# Altium PCB ALCT_MEZ_LX100.PcbDoc (part 1 of 10) (continued)
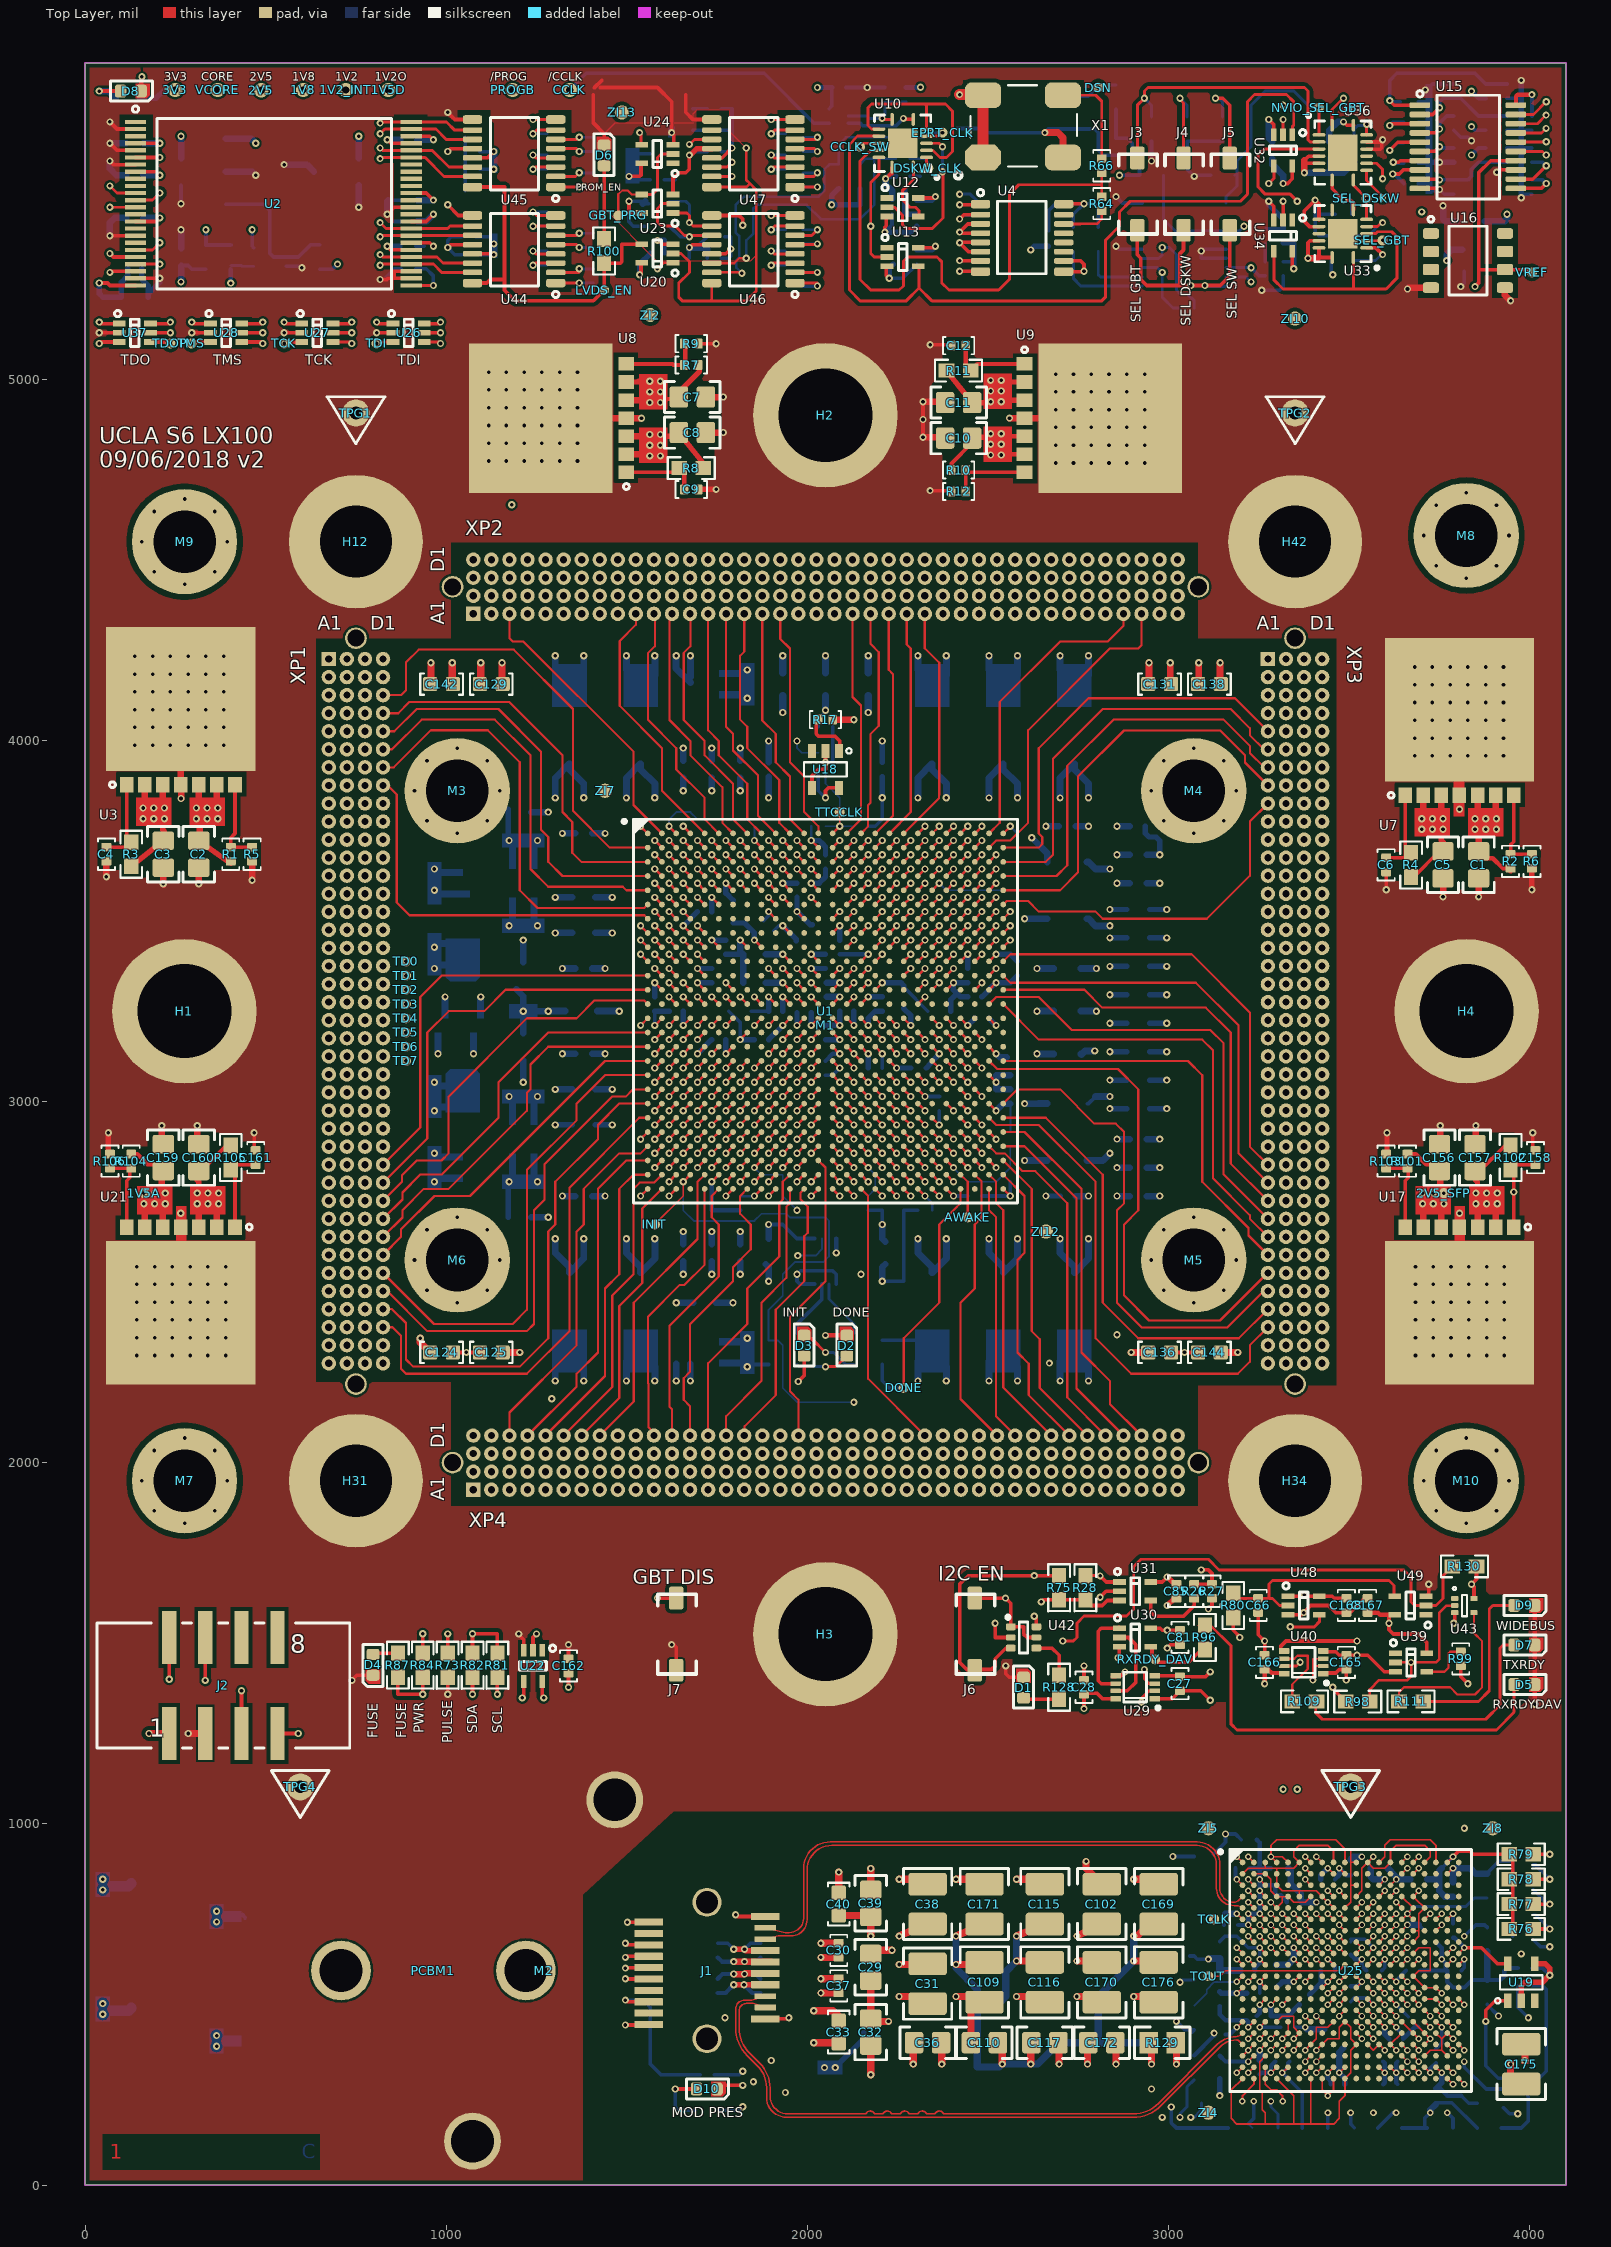
[diagram p0: Top Layer view]
## Components (designator, comment, footprint, x,y, rotation, side; value= is the part's Value field where it differs from the comment) (continued)
C121 "4.7uF" MC_S6/SM/C_0603_IPC 1203.54,3801.18 r180 bottom locked
C122 "4.7uF" MC_S6/SM/C_0603_IPC 1380.71,3033.46 r180 bottom locked
C123 "4.7uF" MC_S6/SM/C_0603_IPC 1085.43,3210.63 r90 bottom locked
C124 "4.7uF" MC_S6/SM/C_0603_IPC 987.01,2305.12 r0 top locked
C125 "4.7uF" MC_S6/SM/C_0603_IPC 1124.8,2305.12 r180 top locked
C126 "4.7uF" MC_S6/SM/C_0603_IPC 1380.71,3466.54 r180 bottom locked
C127 "4.7uF" MC_S6/SM/C_0603_IPC 1712.6,2441.14 r180 bottom locked
C128 "4.7uF" MC_S6/SM/C_0603_IPC 2916.14,3216.54 r0 bottom locked
C129 "4.7uF" MC_S6/SM/C_0603_IPC 1124.8,4155.51 r0 top locked
C130 "4.7uF" MC_S6/SM/C_0603_IPC 2050,4155.51 r270 bottom locked
C131 "4.7uF" MC_S6/SM/C_0603_IPC 2975.2,4155.51 r0 top locked
C132 "4.7uF" MC_S6/SM/C_0603_IPC 2916.14,3137.8 r0 bottom locked
C133 "0.47uF" MC_S6/SM/C_0402_IPC 3220.47,956.1 r180 bottom locked
C134 "4.7uF" MC_S6/SM/C_0603_IPC 2916.14,3374.02 r0 bottom locked
C135 "4.7uF" MC_S6/SM/C_0603_IPC 2916.14,3452.76 r0 bottom locked
C136 "4.7uF" MC_S6/SM/C_0603_IPC 2975.2,2305.12 r0 top locked
C137 "4.7uF" MC_S6/SM/C_0603_IPC 2916.14,3295.28 r0 bottom locked
C138 "4.7uF" MC_S6/SM/C_0603_IPC 3112.99,4155.51 r180 top locked
C139 "4.7uF" MC_S6/SM/C_0603_IPC 1203.54,2679.13 r180 bottom locked
C140 "4.7uF" MC_S6/SM/C_0603_IPC 2168.11,4155.51 r270 bottom locked
C141 "4.7uF" MC_S6/SM/C_0603_IPC 2916.14,3531.5 r0 bottom locked
C142 "4.7uF" MC_S6/SM/C_0603_IPC 987.01,4155.51 r180 top locked
C143 "4.7uF" MC_S6/SM/C_0603_IPC 1931.89,4155.51 r270 bottom locked
C144 "4.7uF" MC_S6/SM/C_0603_IPC 3112.99,2305.12 r180 top locked
C145 "0.47uF" MC_S6/SM/C_0402_IPC 3141.73,515.16 r90 bottom locked
C146 "0.47uF" MC_S6/SM/C_0402_IPC 3376.12,513.33 r45 bottom locked
C147 "0.1uF" MC_S6/SM/C_0402_IPC 3251.97,326.18 r270 bottom locked
C148 "0.1uF" MC_S6/SM/C_0402_IPC 3204.72,877.36 r180 bottom locked
C149 "0.1uF" MC_S6/SM/C_0402_IPC 3157.48,436.42 r270 bottom locked
C150 "0.1uF" MC_S6/SM/C_0402_IPC 3220.47,593.9 r180 bottom locked
C151 "0.01uF" MC_S6/SM/C_0402_IPC 3236.22,530.91 r180 bottom locked
C152 "0.01uF" MC_S6/SM/C_0402_IPC 3141.73,650.59 r270 bottom locked
C153 "0.01uF" MC_S6/SM/C_0402_IPC 3330.71,436.42 r0 bottom locked
C154 "0.01uF" MC_S6/SM/C_0402_IPC 3314.96,830.12 r0 bottom locked
C155 "0.01uF" MC_S6/SM/C_0402_IPC 3346.46,782.87 r0 bottom locked
C156 "10uF" MC_S6/SM/C_0805_IPC 3750,2844.69 r90 top locked
C157 "10uF" MC_S6/SM/C_0805_IPC 3848.43,2844.69 r90 top locked
C158 "0.01uF" MC_S6/SM/C_0402_IPC 4015.75,2844.69 r90 top locked
C159 "10uF" MC_S6/SM/C_0805_IPC 216.54,2844.69 r90 top locked
C160 "10uF" MC_S6/SM/C_0805_IPC 314.96,2844.69 r90 top locked
C161 "0.01uF" MC_S6/SM/C_0402_IPC 472.44,2844.69 r90 top locked
C162 "0.1uF" MC_S6/SM/C_0402_IPC 1338.58,1437.2 r90 top locked
C163 "0.47uF" MC_S6/SM/C_0402_IPC 3671.26,5541.54 r0 bottom locked
C164 "0.47uF" MC_S6/SM/C_0402_IPC 3789.37,5531.69 r270 bottom locked
C165 "0.1uF" MC_S6/SM/C_0402_IPC 3492.13,1447.05 r90 top locked
C166 "0.1uF" MC_S6/SM/C_0402_IPC 3265.75,1447.05 r90 top locked
C167 "0.1uF" MC_S6/SM/C_0402_IPC 3551.18,1604.53 r90 top locked
C168 "0.1uF" MC_S6/SM/C_0402_IPC 3492.13,1604.53 r270 top locked
C169 "100uF" MC_S6/SM/C_1210_IPC 2972.44,777.76 r90 top locked
C170 "100uF" MC_S6/SM/C_1210_IPC 2814.96,561.22 r90 top locked
C171 "100uF" MC_S6/SM/C_1210_IPC 2490.16,777.76 r90 top locked
C172 "10uF" MC_S6/SM/C_0805_IPC 2814.96,393.9 r180 top locked
C175 "100uF" MC_S6/SM/C_1210_IPC 3976.38,334.84 r90 top locked
C176 "100uF" MC_S6/SM/C_1210_IPC 2972.44,561.22 r270 top locked
C201 "0.47UF" MC_S6/SM/C_0402_IPC 1735.04,3919.29 r270 bottom locked
C202 "0.47UF" MC_S6/SM/C_0402_IPC 2581.5,3368.11 r90 bottom locked
C203 "0.47UF" MC_S6/SM/C_0402_IPC 2483.07,3230.32 r0 bottom locked
C204 "0.47uF" MC_S6/SM/C_0402_IPC 2561.81,3013.78 r90 bottom locked
C205 "0.47uF" MC_S6/SM/C_0402_IPC 2916.14,3604.33 r0 bottom locked
C211 "0.47UF" MC_S6/SM/C_0402_IPC 1892.52,3919.29 r90 bottom locked
C212 "0.47UF" MC_S6/SM/C_0402_IPC 2719.29,3761.81 r0 bottom locked
C213 "0.47UF" MC_S6/SM/C_0402_IPC 2050,3663.39 r90 bottom locked
C214 "0.47uF" MC_S6/SM/C_0402_IPC 2305.91,3092.52 r0 bottom locked
C215 "0.47uF" MC_S6/SM/C_0402_IPC 1656.3,3919.29 r90 bottom locked
C221 "0.47UF" MC_S6/SM/C_0402_IPC 1380.71,2738.19 r180 bottom locked
C222 "0.47UF" MC_S6/SM/C_0402_IPC 1813.78,2580.71 r270 bottom locked
C223 "0.47UF" MC_S6/SM/C_0402_IPC 1774.41,3427.17 r270 bottom locked
C224 "0.47uF" MC_S6/SM/C_0402_IPC 2916.14,2738.19 r0 bottom locked
C225 "0.47uF" MC_S6/SM/C_0402_IPC 1380.71,3368.11 r180 bottom locked
C231 "0.47UF" MC_S6/SM/C_0402_IPC 2561.81,3102.36 r270 bottom locked
C232 "0.47UF" MC_S6/SM/C_0402_IPC 2089.37,3427.17 r270 bottom locked
C233 "0.47UF" MC_S6/SM/C_0402_IPC 2916.14,2895.67 r0 bottom locked
C234 "0.47uF" MC_S6/SM/C_0402_IPC 1636.61,3250 r180 bottom locked
C235 "0.47uF" MC_S6/SM/C_0402_IPC 1380.71,3131.89 r180 bottom locked
C241 "0.47UF" MC_S6/SM/C_0402_IPC 1754.72,3171.26 r180 bottom locked
C242 "0.47UF" MC_S6/SM/C_0402_IPC 2443.7,3348.43 r270 bottom locked
C243 "0.47uF" MC_S6/SM/C_0402_IPC 1577.56,3269.69 r270 bottom locked
C244 "0.47uF" MC_S6/SM/C_0402_IPC 2916.14,2816.93 r0 bottom locked
C245 "0.47uF" MC_S6/SM/C_0402_IPC 1380.71,3742.13 r180 bottom locked
C251 "0.47UF" MC_S6/SM/C_0402_IPC 2719.29,2738.19 r0 bottom locked
C252 "0.47UF" MC_S6/SM/C_0402_IPC 2463.39,3289.37 r180 bottom locked
C253 "0.47uF" MC_S6/SM/C_0402_IPC 1892.52,3486.22 r315 bottom locked
C254 "0.47uF" MC_S6/SM/C_0402_IPC 2916.14,3761.81 r0 bottom locked
C255 "0.47uF" MC_S6/SM/C_0402_IPC 2916.14,3683.07 r0 bottom locked
C261 "0.47uF" MC_S6/SM/C_0402_IPC 2050,3387.8 r270 bottom locked
C262 "0.47uF" MC_S6/SM/C_0402_IPC 1735.04,3348.43 r270 bottom locked
C263 "0.47UF" MC_S6/SM/C_0402_IPC 1715.35,3525.59 r180 bottom locked
C264 "0.47UF" MC_S6/SM/C_0402_IPC 1912.2,3250 r0 bottom locked
C265 "0.47uF" MC_S6/SM/C_0402_IPC 2364.96,2994.09 r90 bottom locked
C266 "0.47uF" MC_S6/SM/C_0402_IPC 1971.26,3584.65 r90 bottom locked
C267 "0.47uF" MC_S6/SM/C_0402_IPC 2050,3092.52 r90 bottom locked
C271 "0.47UF" MC_S6/SM/C_0402_IPC 2050,3309.06 r90 bottom locked
C272 "0.47UF" MC_S6/SM/C_0402_IPC 1990.95,3250 r180 bottom locked
C273 "0.47UF" MC_S6/SM/C_0402_IPC 2050,3190.95 r90 bottom locked
C274 "0.47UF" MC_S6/SM/C_0402_IPC 2109.06,3250 r180 bottom locked
C275 "0.47uF" MC_S6/SM/C_0402_IPC 1872.83,3171.26 r180 bottom locked
C276 "0.47uF" MC_S6/SM/C_0402_IPC 2207.48,3269.69 r270 bottom locked
C277 "0.47uF" MC_S6/SM/C_0402_IPC 2187.8,3092.52 r180 bottom locked
C301 "4.7UF" MC_S6/SM/C_0603_IPC 2207.48,3919.29 r90 bottom locked
C302 "4.7uF" MC_S6/SM/C_0603_IPC 2207.48,2580.71 r270 bottom locked
C311 "4.7UF" MC_S6/SM/C_0603_IPC 1892.52,2580.71 r270 bottom locked
C312 "10uF" MC_S6/SM/C_0805_IPC 1213.39,3348.43 r270 bottom locked
C313 "10uF" MC_S6/SM/C_0805_IPC 1213.39,3151.57 r90 bottom locked
C321 "4.7UF" MC_S6/SM/C_0603_IPC 2916.14,3059.06 r0 bottom locked
C322 "10uF" MC_S6/SM/C_0805_IPC 2719.29,3250 r0 bottom locked
C331 "4.7UF" MC_S6/SM/C_0603_IPC 1380.71,3564.96 r180 bottom locked
C332 "10uF" MC_S6/SM/C_0805_IPC 1380.71,3250 r180 bottom locked
C341 "4.7UF" MC_S6/SM/C_0603_IPC 1380.71,2935.04 r180 bottom locked
C342 "10uF" MC_S6/SM/C_0805_IPC 2719.29,3131.89 r0 bottom locked
C351 "4.7UF" MC_S6/SM/C_0603_IPC 2916.14,2980.32 r0 bottom locked
C361 "4.7UF" MC_S6/SM/C_0603_IPC 1794.09,3525.59 r90 bottom locked
C362 "4.7UF" MC_S6/SM/C_0603_IPC 2266.54,3289.37 r270 bottom locked
C363 "4.7UF" MC_S6/SM/C_0603_IPC 1813.78,3250 r180 bottom locked
C364 "4.7UF" MC_S6/SM/C_0603_IPC 2364.96,3250 r0 bottom locked
C365 "10uF" MC_S6/SM/C_0805_IPC 1995.95,3471.54 r225 bottom locked
C371 "4.7UF" MC_S6/SM/C_0603_IPC 1853.15,3407.48 r180 bottom locked
C372 "4.7UF" MC_S6/SM/C_0603_IPC 1853.15,3328.74 r180 bottom locked
C375 "10uF" MC_S6/SM/C_0805_IPC 2719.29,3368.11 r0 bottom locked
C401 "100UF" MC_S6/SM/C_1210_IPC 2719.29,3505.91 r0 bottom locked
C411 "100UF" MC_S6/SM/C_1210_IPC 1715.35,4155.51 r0 bottom locked
C421 "100UF" MC_S6/SM/C_1210_IPC 2719.29,2994.09 r0 bottom locked
C431 "100UF" MC_S6/SM/C_1210_IPC 1715.35,2305.12 r180 bottom locked
C441 "100UF" MC_S6/SM/C_1210_IPC 1213.39,2895.67 r270 bottom locked
C451 "100UF" MC_S6/SM/C_1210_IPC 2719.29,2836.61 r0 bottom locked
C461 "100UF" MC_S6/SM/C_1210_IPC 1213.39,3604.33 r90 bottom locked
C471 "100UF" MC_S6/SM/C_1210_IPC 2719.29,3663.39 r0 bottom locked
CCLK "Test Point Via" MC_S6/TH/TPVIA 1341.73,5800.39 r0 top locked
CCLK_SW "Test Point Via" MC_S6/TH/TPVIA 2145.67,5643.11 r90 top locked
CMPCSB "Test Point Via" MC_S6/TH/TPVIA 2404.33,2856.3 r270 bottom locked
CT1 "220uF" MC_S6/SM/CT_2917_D 2738.98,2423.23 r90 bottom locked
CT2 "220uF" MC_S6/SM/CT_2917_D 1341.34,4037.4 r270 bottom locked
CT3 "220uF" MC_S6/SM/CT_2917_D 1046.06,2915.35 r270 bottom locked
CT4 "220uF" MC_S6/SM/CT_2917_D 2542.13,2423.23 r90 bottom locked
CT5 "220uF" MC_S6/SM/CT_2917_D 1046.06,3505.91 r90 bottom locked
CT6 "220uF" MC_S6/SM/CT_2917_D 2345.28,2423.23 r90 bottom locked
CT7 "220uF" MC_S6/SM/CT_2917_D 1341.34,2423.23 r90 bottom locked
CT8 "220uF" MC_S6/SM/CT_2917_D 2738.98,4037.4 r270 bottom locked
CT9 "220uF" MC_S6/SM/CT_2917_D 2542.13,4037.4 r270 bottom locked
CT10 "220uF" MC_S6/SM/CT_2917_D 1538.19,4037.4 r270 bottom locked
CT11 "220uF" MC_S6/SM/CT_2917_D 1538.19,2423.23 r90 bottom locked
CT12 "220uF" MC_S6/SM/CT_2917_D 2345.28,4037.4 r270 bottom locked
D1 "LTST-C193KRKT-5A" MC_S6/SM/LED_0603 2598.43,1378.15 r270 top locked
D2 "LTST-C193TBKT-5A" MC_S6/SM/LED_0603 2109.06,2324.8 r270 top locked
D3 "LTST-C193KRKT-5A" MC_S6/SM/LED_0603 1990.95,2324.8 r270 top locked
D4 "LTST-C193KRKT-5A" MC_S6/SM/LED_0603 797.25,1439.17 r90 top locked
D5 "LTST-C193KGKT-5A" MC_S6/SM/LED_0603 3986.22,1385.55 r180 top locked
D6 "LTST-C193KGKT-5A" MC_S6/SM/LED_0603 1437.01,5620.28 r270 top locked
D7 "LTST-C193KGKT-5A" MC_S6/SM/LED_0603 3986.22,1495.04 r180 top locked
D8 "LTST-C193KRKT-5A" MC_S6/SM/LED_0603 127.95,5797.44 r180 top locked
D9 "LTST-C193KGKT-5A" MC_S6/SM/LED_0603 3986.22,1604.53 r180 top locked
D10 "LTST-C193KGKT-5A" MC_S6/SM/LED_0603 1722.44,265.94 r180 top locked
DONE "Test Point Via" MC_S6/TH/TPVIA 2266.54,2206.69 r0 top locked
DSKW_CLK "Test Point Via" MC_S6/TH/TPVIA 2334.65,5584.06 r90 top locked
DSN "Test Point Via" MC_S6/TH/TPVIA 2805.12,5807.28 r0 top locked
EPRT_CLK "Test Point Via" MC_S6/TH/TPVIA 2374.02,5682.48 r90 top locked
GBT_PRG "Test Point Via" MC_S6/TH/TPVIA 1476.38,5452.95 r90 top locked
H1 "MEZSCREW" MC_S6/TH/SCREW_BASE 275,3250 r0 top locked
H2 "MEZSCREW" MC_S6/TH/SCREW_BASE 2050,4900 r0 top locked
H3 "MEZSCREW" MC_S6/TH/SCREW_BASE 2050,1525 r0 top locked
H4 "MEZSCREW" MC_S6/TH/SCREW_BASE 3825,3250 r0 top locked
H12 "MezScrewHS" MC_S6/TH/SCREW_PLATE 750,4550 r0 top locked
H31 "MezScrewHS" MC_S6/TH/SCREW_PLATE 750,1950 r0 top locked
H34 "MezScrewHS" MC_S6/TH/SCREW_PLATE 3350,1950 r0 top locked
H42 "MezScrewHS" MC_S6/TH/SCREW_PLATE 3350,4550 r0 top locked
INIT "Test Point Via" MC_S6/TH/TPVIA 1577.56,2659.45 r0 top locked
J1 "VTRX" MC_S6/SM/TE-1888247-1 1722.05,593.9 r0 top locked
J2 "CON8 SMD" MC_S6/SM/WURTH_61200820621 383.07,1383.07 r0 top locked
J3 "CHS-01TA" CHS-01TA 2913.39,5512.01 r270 top locked
J4 "CHS-01TA" CHS-01TA 3041.34,5512.01 r270 top locked
J5 "CHS-01TA" CHS-01TA 3169.29,5512.01 r270 top locked
J6 "CHS-01TA" CHS-01TA 2463.39,1525 r270 top locked
J7 "CHS-01TA" CHS-01TA 1636.61,1525 r270 top locked
L1 "538 nH" AIAC-4125C-R538J 285.43,443.11 r180 bottom locked
L2 "538 nH" AIAC-4125C-R538J 285.43,787.6 r180 bottom locked
L4 "538 nH" AIAC-4125C-R538J 2312.99,374.21 r180 bottom locked
LVDS_EN "Test Point Via" MC_S6/TH/TPVIA 1437.01,5246.26 r90 top locked
M1 "HS2069DB" HS2069DB 2050,3210.63 r180 top locked
M2 "CS86717095B1" CS86717095B1 1269.69,593.9 r90 top locked
M3 "Wurth 9774030360R" WURTH/9774020360R 1030.32,3860.24 r0 top locked
M4 "Wurth 9774030360R" WURTH/9774020360R 3069.69,3860.24 r0 top locked
M5 "Wurth 9774030360R" WURTH/9774020360R 3069.69,2561.02 r0 top locked
M6 "Wurth 9774030360R" WURTH/9774020360R 1030.32,2561.02 r0 top locked
M7 "Wurth 9774030360R" WURTH/9774020360R 275.53,1950 r0 top locked
M8 "Wurth 9774030360R" WURTH/9774020360R 3824.35,4566.93 r0 top locked
M9 "Wurth 9774030360R" WURTH/9774020360R 275.53,4550 r0 top locked
M10 "Wurth 9774030360R" WURTH/9774020360R 3824.35,1950 r0 top locked
NVIO_SEL_GBT "Test Point Via" MC_S6/TH/TPVIA 3416.34,5751.38 r90 top locked
PCBM1 "VTRX-V2.1 (MM)" "PCBM_CERN_VTRX V2.1 (MM)" 1722.05,593.9 r0 top locked
PROGB "Test Point Via" MC_S6/TH/TPVIA 1184.25,5800.39 r0 top locked
R1 "1.2k" MC_S6/SM/R_0402_IPC 403.54,3684.45 r90 top locked
R2 "2.0k" MC_S6/SM/R_0402_IPC 3946.85,3664.76 r90 top locked
R3 "4.7k" MC_S6/SM/R_0603_IPC 127.95,3684.45 r90 top locked
R4 "4.7k" MC_S6/SM/R_0603_IPC 3671.26,3654.92 r90 top locked
R5 "300R" MC_S6/SM/R_0402_IPC 462.6,3684.45 r270 top locked
R6 "1.0k" MC_S6/SM/R_0402_IPC 4005.91,3664.76 r270 top locked
R7 "5.1k" MC_S6/SM/R_0402_IPC 1678.35,5038.98 r180 top locked
R8 "4.7k" MC_S6/SM/R_0603_IPC 1678.35,4753.54 r180 top locked
R9 "1.96k" MC_S6/SM/R_0402_IPC 1678.35,5098.03 r0 top locked
R10 "1.8k" MC_S6/SM/R_0402_IPC 2418.5,4748.03 r0 top locked
R11 "4.7k" MC_S6/SM/R_0603_IPC 2418.5,5023.62 r0 top locked
R12 "1.3k" MC_S6/SM/R_0402_IPC 2418.5,4688.98 r180 top locked
R13 "5.1K" MC_S6/SM/R_0402_IPC 3877.95,5797.44 r90 bottom locked
R14 "5.1k" MC_S6/SM/R_0402_IPC 3877.95,5708.86 r90 bottom locked
R15 "5.1K" MC_S6/SM/R_0402_IPC 3937.01,5797.44 r270 bottom locked
R16 "5.1k" MC_S6/SM/R_0402_IPC 3937.01,5708.86 r270 bottom locked
R17 "768R" MC_S6/SM/R_0402_IPC 2050,4057.09 r0 top locked
R18 "768R" MC_S6/SM/R_0402_IPC 3986.22,551.38 r180 bottom locked
R19 "5.1K" MC_S6/SM/R_0402_IPC 3838.58,5357.68 r0 bottom locked
R20 "4.7k" MC_S6/SM/R_0603_IPC 3336.61,157.68 r180 bottom locked
R21 "4.7k" MC_S6/SM/R_0603_IPC 3750,157.68 r180 bottom locked
R22 "4.7k" MC_S6/SM/R_0603_IPC 3090.55,915.55 r0 bottom locked
R23 "4.7k" MC_S6/SM/R_0603_IPC 3474.41,157.68 r0 bottom locked
R24 "330R" MC_S6/SM/R_0603_IPC 1722.44,206.89 r0 bottom locked
R25 "1.0k" MC_S6/SM/R_0402_IPC 1722.44,305.32 r0 bottom locked
R26 "1.6k" MC_S6/SM/R_0402_IPC 3070.87,1643.9 r90 top locked
R27 "1.96k" MC_S6/SM/R_0402_IPC 3120.08,1643.9 r270 top locked
R28 "4.7k" MC_S6/SM/R_0603_IPC 2769.69,1653.74 r270 top locked
R29 "4.7k" MC_S6/SM/R_0603_IPC 649.61,5337.99 r90 bottom locked
R30 "999G" MC_S6/SM/R_0603_IPC 403.54,5337.99 r90 bottom locked
R31 "4.7K" MC_S6/SM/R_0603_IPC 334.65,5337.99 r90 bottom locked
R32 "330R" MC_S6/SM/R_0603_IPC 2207.48,2305.12 r270 bottom locked
R33 "4.7K" MC_S6/SM/R_0603_IPC 1892.52,2305.12 r90 bottom locked
R34 "110R" MC_S6/SM/R_0402_IPC 2561.81,2895.67 r270 bottom locked
R35 "510R" MC_S6/SM/R_0603_IPC 1971.26,2305.12 r270 bottom locked
R36 "0.0R" MC_S6/SM/R_0402_IPC 2463.39,2738.19 r0 bottom locked
R37 "0.0R" MC_S6/SM/R_0402_IPC 2168.11,2718.5 r270 bottom locked
R38 "0.0R" MC_S6/SM/R_0402_IPC 2325.59,2698.82 r180 bottom locked
R39 "0.0R" MC_S6/SM/R_0402_IPC 1813.78,2718.5 r270 bottom locked
R40 "10M" MC_S6/SM/R_0402_IPC 1754.72,3781.5 r0 bottom locked
R41 "510R" MC_S6/SM/R_0603_IPC 2128.74,2305.12 r270 bottom locked
R42 "75R" MC_S6/SM/R_0402_IPC 2581.5,3702.76 r90 bottom locked
R43 "999G" MC_S6/SM/R_0402_IPC 895.67,5305.32 r180 bottom locked
R44 "4.7k" MC_S6/SM/R_0603_IPC 3149.61,5564.37 r0 bottom locked
R45 "4.7k" MC_S6/SM/R_0603_IPC 2952.76,5564.37 r0 bottom locked
R46 "4.7k" MC_S6/SM/R_0603_IPC 2736.22,5387.2 r270 bottom locked
R47 "4.7k" MC_S6/SM/R_0603_IPC 2805.12,5387.2 r270 bottom locked
R48 "4.7k" MC_S6/SM/R_0603_IPC 2952.76,5692.32 r90 bottom locked
R49 "4.7k" MC_S6/SM/R_0603_IPC 3051.18,5692.32 r90 bottom locked
R50 "4.7k" MC_S6/SM/R_0603_IPC 3149.61,5692.32 r90 bottom locked
R51 "75R" MC_S6/SM/R_0402_IPC 3267.72,5393.9 r90 bottom locked
R52 "4.7k" MC_S6/SM/R_0603_IPC 3881.89,828.15 r270 bottom locked
R53 "4.7k" MC_S6/SM/R_0603_IPC 3612.21,157.68 r180 bottom locked
R54 "4.7k" MC_S6/SM/R_0603_IPC 2145.67,5561.22 r90 bottom locked
R55 "4.7k" MC_S6/SM/R_0603_IPC 2086.61,5561.22 r90 bottom locked
R56 "4.7k" MC_S6/SM/R_0603_IPC 1584.65,5492.32 r0 bottom locked
R57 "4.7k" MC_S6/SM/R_0603_IPC 1584.65,5423.43 r0 bottom locked
R58 "4.7k" MC_S6/SM/R_0603_IPC 3513.78,5633.27 r90 bottom locked
R59 "4.7k" MC_S6/SM/R_0603_IPC 3484.25,5397.05 r0 bottom locked
R60 "4.7k" MC_S6/SM/R_0603_IPC 3484.25,5328.15 r0 bottom locked
R61 "4.7k" MC_S6/SM/R_0603_IPC 3976.38,679.33 r0 bottom locked
R62 "28R" MC_S6/SM/R_0402_IPC 2263.78,5610.43 r0 bottom locked
R63 "28R" MC_S6/SM/R_0402_IPC 2263.78,5669.49 r0 bottom locked
R64 "28R" MC_S6/SM/R_0402_IPC 2814.96,5485.63 r90 top locked
R65 "28R" MC_S6/SM/R_0402_IPC 2470.47,5472.64 r270 bottom locked
R66 "999G" MC_S6/SM/R_0402_IPC 2814.96,5590.75 r270 top locked
R67 "999G" MC_S6/SM/R_0603_IPC 3976.38,748.23 r0 bottom locked
R68 "4.7k" MC_S6/SM/R_0603_IPC 3976.38,817.13 r0 bottom locked
R69 "4.7k" MC_S6/SM/R_0603_IPC 3976.38,886.02 r0 bottom locked
R70 "4.7k" MC_S6/SM/R_0603_IPC 3887.8,226.57 r0 bottom locked
R71 "4.7k" MC_S6/SM/R_0603_IPC 3198.82,157.68 r0 bottom locked
R72 "4.7k" MC_S6/SM/R_0603_IPC 3070.87,325 r270 bottom locked
R73 "4.7k" MC_S6/SM/R_0603_IPC 1003.94,1439.17 r270 top locked
R74 "4.7k" MC_S6/SM/R_0603_IPC 3881.89,534.17 r90 bottom locked
R75 "4.7k" MC_S6/SM/R_0603_IPC 2696.85,1653.74 r270 top locked
R76 "4.7k" MC_S6/SM/R_0603_IPC 3976.38,708.86 r180 top locked
R77 "999G" MC_S6/SM/R_0603_IPC 3976.38,777.76 r0 top locked
R78 "999G" MC_S6/SM/R_0603_IPC 3976.38,846.65 r0 top locked
R79 "4.7k" MC_S6/SM/R_0603_IPC 3976.38,915.55 r180 top locked
R80 "4.7k" MC_S6/SM/R_0603_IPC 3179.13,1604.53 r270 top locked
R81 "4.7k" MC_S6/SM/R_0603_IPC 1141.73,1439.17 r270 top locked
R82 "4.7k" MC_S6/SM/R_0603_IPC 1072.84,1439.17 r270 top locked
R83 "4.7k" MC_S6/SM/R_0603_IPC 3070.87,462.8 r270 bottom locked
R84 "20k" MC_S6/SM/R_0603_IPC 935.04,1439.17 r270 top locked
R85 "4.7k" MC_S6/SM/R_0603_IPC 3070.87,600.59 r90 bottom locked
R86 "4.7k" MC_S6/SM/R_0603_IPC 3881.89,681.18 r270 bottom locked
R87 "510R" MC_S6/SM/R_0603_IPC 866.14,1439.17 r90 top locked
R88 "4.7k" MC_S6/SM/R_0603_IPC 3887.8,157.68 r180 bottom locked
R89 "4.7k" MC_S6/SM/R_0603_IPC 2854.33,5780.91 r90 bottom locked
R90 "110R" MC_S6/SM/R_0402_IPC 2561.81,2797.24 r270 bottom locked
R91 "110R" MC_S6/SM/R_0402_IPC 2148.43,3761.81 r180 bottom locked
R92 "110R" MC_S6/SM/R_0402_IPC 2030.32,3761.81 r180 bottom locked
R93 "999G" MC_S6/SM/R_0402_IPC 3070.87,226.57 r180 bottom locked
R94 "110R" MC_S6/SM/R_0402_IPC 2273.62,5787.6 r270 bottom locked
R95 "110R" MC_S6/SM/R_0402_IPC 2214.57,5787.6 r90 bottom locked
R96 "330R" MC_S6/SM/R_0603_IPC 3100.39,1515.95 r270 top locked
R97 "999G" MC_S6/SM/R_0402_IPC 3051.18,5197.05 r180 bottom locked
R98 "4.7k" MC_S6/SM/R_0603_IPC 3523.56,1338.58 r0 top locked
R99 "0.0R" MC_S6/SM/R_0402_IPC 3809,1456.69 r270 top locked
R100 "510R" MC_S6/SM/R_0603_IPC 1437.01,5354.53 r270 top locked
R101 "1.2k" MC_S6/SM/R_0402_IPC 3661.42,2834.84 r270 top locked
R102 "4.7k" MC_S6/SM/R_0603_IPC 3946.85,2844.69 r270 top locked
R103 "300R" MC_S6/SM/R_0402_IPC 3602.36,2834.84 r90 top locked
R104 "2.0k" MC_S6/SM/R_0402_IPC 127.95,2834.84 r270 top locked
R105 "4.7k" MC_S6/SM/R_0603_IPC 403.54,2844.69 r270 top locked
R106 "1.0k" MC_S6/SM/R_0402_IPC 68.9,2834.84 r90 top locked
R107 "5.1k" MC_S6/SM/R_0402_IPC 3877.95,5620.28 r270 bottom locked
R108 "5.1k" MC_S6/SM/R_0402_IPC 3937.01,5620.28 r90 bottom locked
R109 "330R" MC_S6/SM/R_0603_IPC 3375.98,1338.78 r180 top locked
R110 "510R" MC_S6/SM/R_0603_IPC 118.11,5777.76 r180 bottom locked
R111 "330R" MC_S6/SM/R_0603_IPC 3671.26,1338.78 r0 top locked
R112 "100R" MC_S6/SM/R_0402_IPC 1407.48,5285.63 r270 bottom locked
R113 "100R" MC_S6/SM/R_0402_IPC 1279.53,5334.84 r90 bottom locked
R114 "100R" MC_S6/SM/R_0402_IPC 1407.48,5384.06 r270 bottom locked
R115 "100R" MC_S6/SM/R_0402_IPC 1279.53,5443.11 r90 bottom locked
R116 "100R" MC_S6/SM/R_0402_IPC 1407.48,5551.38 r270 bottom locked
R117 "100R" MC_S6/SM/R_0402_IPC 1279.53,5600.59 r90 bottom locked
R118 "100R" MC_S6/SM/R_0402_IPC 1407.48,5649.8 r270 bottom locked
R119 "100R" MC_S6/SM/R_0402_IPC 1279.53,5699.02 r90 bottom locked
R120 "100R" MC_S6/SM/R_0402_IPC 1988.19,5275.79 r270 bottom locked
R121 "100R" MC_S6/SM/R_0402_IPC 1938.98,5334.84 r90 bottom locked
R122 "100R" MC_S6/SM/R_0402_IPC 1988.19,5393.9 r270 bottom locked
R123 "100R" MC_S6/SM/R_0402_IPC 1938.98,5433.27 r90 bottom locked
R124 "100R" MC_S6/SM/R_0402_IPC 1988.19,5551.38 r270 bottom locked
R125 "100R" MC_S6/SM/R_0402_IPC 1938.98,5600.59 r90 bottom locked
R126 "100R" MC_S6/SM/R_0402_IPC 1988.19,5649.8 r270 bottom locked
R127 "100R" MC_S6/SM/R_0402_IPC 1938.98,5699.02 r90 bottom locked
R128 "510R" MC_S6/SM/R_0603_IPC 2696.85,1378.15 r270 top locked
R129 "28R" MC_S6/SM/R_0805_IPC 2982.28,393.9 r180 top locked
R130 "4.7k" MC_S6/SM/R_0603_IPC 3818.9,1712.6 r0 top
RXRDY_DAV "Test Point Via" MC_S6/TH/TPVIA 2962.6,1455.39 r90 top locked
SEL_DSKW "Test Point Via" MC_S6/TH/TPVIA 3548.23,5500.39 r90 top locked
SEL_GBT "Test Point Via" MC_S6/TH/TPVIA 3592.52,5384.06 r90 top locked
SP1 "Stiffener Plate" MC_S6/SPLATE 4098.43,1221.06 r180 bottom locked
TCK "Test Point Via" MC_S6/TH/TPVIA 551.18,5098.62 r0 top locked
TCLK "Test Point Via" MC_S6/TH/TPVIA 3125.98,735.63 r90 top locked
TD0 "Test Point Via" MC_S6/TH/TPVIA 888.58,3387.8 r180 top locked
TD1 "Test Point Via" MC_S6/TH/TPVIA 888.58,3348.43 r180 top locked
TD2 "Test Point Via" MC_S6/TH/TPVIA 888.58,3309.06 r180 top locked
TD3 "Test Point Via" MC_S6/TH/TPVIA 888.58,3269.69 r180 top locked
TD4 "Test Point Via" MC_S6/TH/TPVIA 888.58,3230.32 r180 top locked
TD5 "Test Point Via" MC_S6/TH/TPVIA 888.58,3190.95 r180 top locked
TD6 "Test Point Via" MC_S6/TH/TPVIA 888.58,3151.57 r180 top locked
TD7 "Test Point Via" MC_S6/TH/TPVIA 888.58,3112.2 r90 top locked
TDI "Test Point Via" MC_S6/TH/TPVIA 807.09,5098.62 r0 top locked
TDOF "Test Point Via" MC_S6/TH/TPVIA 2483.07,3761.81 r180 bottom locked
TDOP "Test Point Via" MC_S6/TH/TPVIA 236.22,5098.62 r0 top locked
TMS "Test Point Via" MC_S6/TH/TPVIA 295.28,5098.62 r0 top locked
TOUT "Test Point Via" MC_S6/TH/TPVIA 3110.24,578.15 r90 top locked
TPG1 "GND" MC_S6/TH/TPGND 750,4906.1 r0 top locked
TPG2 "GND" MC_S6/TH/TPGND 3350,4906.1 r0 top locked
TPG3 "GND" MC_S6/TH/TPGND 3503.94,1102.36 r0 top locked
TPG4 "GND" MC_S6/TH/TPGND 595.92,1102.36 r0 top locked
TTCCLK "Test Point Via" MC_S6/TH/TPVIA 2089.37,3801.18 r270 top locked
U1 "XC6SLX100-3FGG676C" FGG676 2050,3250 r0 top locked
U2 "XCF32PVOG48C" MC_S6/SM/VOG48 521.65,5485.63 r0 top locked
U3 "MIC69502WR" MC_S6/SM/SPAK7 265.16,4156.89 r90 top locked
U4 "74LVC161PW,118" MC_S6/SM/TSSOP16 2594.49,5387.2 r0 top locked
U5 "DS1233AZ-10+" MC_S6/SM/SOT223_1243 511.81,5574.21 r0 bottom locked
U6 "SN74LVC1G07-EP" SOT353-1 511.81,5337.99 r180 bottom locked
U7 "MIC69502WR" MC_S6/SM/SPAK7 3805.32,4127.36 r90 top locked
U8 "MIC69502WR" MC_S6/SM/SPAK7 1218.9,4891.93 r180 top locked
U9 "MIC69502WR" MC_S6/SM/SPAK7 2881.1,4891.93 r0 top locked
U10 "SN74CBTLV3125RGY" S-PVQFN-N14 2263.78,5652.95 r180 top locked
U11 "DS2401Z" MC_S6/SM/SOT223_1243 2608.27,5692.32 r180 bottom locked
U12 "SN74AUP1G04DCKR" MC_S6/SM/SOT_SC70_DCK5 2263.78,5475.79 r0 top locked
U13 "SN74AUP1G04DCKR" MC_S6/SM/SOT_SC70_DCK5 2263.78,5337.99 r0 top locked
U14 "SN74LVC1G34" MC_S6/SM/SOT_553_DRL5 2050,3938.98 r90 bottom locked
U15 "TLV2543CDB" MC_S6/SM/ADC_DB20 3828.74,5643.11 r0 top locked
U16 "LT1634ACS8-2.5" MC_S6/SM/LT1634_SOIC8 3828.74,5328.15 r0 top locked
U17 "MIC69502WR" MC_S6/SM/SPAK7 3805.32,2372.24 r270 top locked
U18 "TMP36GRTZ" MC_S6/SM/SOT23_RJ5 2050,3919.29 r270 top locked
U19 "TMP36GRTZ" MC_S6/SM/SOT23_RJ5 3976.38,561.22 r90 top locked
U20 "SN74AUP1G08DCKR" MC_S6/SM/SOT_SC70_DCK5 1584.65,5347.83 r180 top locked
U21 "MIC69502WR" MC_S6/SM/SPAK7 265.16,2372.24 r270 top locked
U22 "SN74LVC1G07-EP" SOT353-1 1240.16,1437.2 r270 top locked
U23 "SN74AUP1G32DCKR" MC_S6/SM/SOT_SC70_DCK5 1584.65,5485.63 r180 top locked
U24 "SN74LVC1G07-EP" SOT353-1 1584.65,5623.43 r180 top locked
U25 "GBTx" "BGA400 GBT" 3503.94,593.9 r0 top locked
U26 "SN74LVC1T45DCKR" MC_S6/SM/SOT_SC70_DCK6 895.67,5128.15 r0 top locked
U27 "SN74LVC1T45DCKR" MC_S6/SM/SOT_SC70_DCK6 643.04,5128.15 r0 top locked
U28 "SN74LVC1T45DCKR" MC_S6/SM/SOT_SC70_DCK6 390.42,5128.15 r0 top locked
U29 "74LVC2T45DC,125" "VSSOP8 SOT765-1" 2907.48,1378.15 r180 top locked
U30 "SN74AUP1G08DCKR" MC_S6/SM/SOT_SC70_DCK5 2907.48,1515.94 r0 top locked
U31 "SN74AUP1G08DCKR" MC_S6/SM/SOT_SC70_DCK5 2907.48,1643.9 r0 top locked
U32 "SN74AUP1G08DCKR" MC_S6/SM/SOT_SC70_DCK5 3316.93,5633.27 r270 top locked
U33 "SN74CBTLV3125RGY" S-PVQFN-N14 3482.28,5402.56 r180 top locked
U34 "SN74AUP1G04DCKR" MC_S6/SM/SOT_SC70_DCK5 3316.93,5397.05 r270 top locked
U35 "DS4550" TSSOP-20 3043.31,5372.44 r180 bottom locked
U36 "SN74CBTLV3257RGY" R-PVQFN-N16 3482.28,5626.97 r0 top locked
U37 "SN74LVC1T45DCKR" MC_S6/SM/SOT_SC70_DCK6 137.8,5128.15 r0 top locked
U38 "SN74LVC1G34" MC_S6/SM/SOT_553_DRL5 2086.61,5728.54 r180 bottom locked
U39 "SN74LVC1G07-EP" SOT353-1 3671.2,1446.85 r0 top locked
U40 "74LVC2T45DC,125" "VSSOP8 SOT765-1" 3374.02,1447.05 r180 top locked
U41 "74LVC2T45DC,125" "VSSOP8 SOT765-1" 2050,2557.48 r270 bottom locked
U42 "74LVC1T45GW,125" SOT363 2598.43,1515.95 r0 top locked
U43 "SN74LVC1G34" MC_S6/SM/SOT_553_DRL5 3818.84,1604.33 r0 top locked
U44 "DS90LV048ATMTCX/NOPB" MC_S6/SM/TSSOP16 1187.99,5363.39 r180 top locked
U45 "DS90LV048ATMTCX/NOPB" MC_S6/SM/TSSOP16 1187.99,5629.13 r180 top locked
U46 "DS90LV048ATMTCX/NOPB" MC_S6/SM/TSSOP16 1850.39,5363.39 r180 top locked
U47 "DS90LV048ATMTCX/NOPB" MC_S6/SM/TSSOP16 1850.39,5629.13 r180 top locked
U48 "SN74AUP1G08DCKR" MC_S6/SM/SOT_SC70_DCK5 3374.02,1604.53 r0 top locked
U49 "SN74LVC1G07-EP" SOT353-1 3669.29,1604.53 r180 top locked
VCORE "Test Point Via" MC_S6/TH/TPVIA 367.32,5800.39 r0 top locked
VREF "Test Point Via" MC_S6/TH/TPVIA 4005.91,5295.47 r0 top locked
X1 "ASV-33.000MHZ-EJ-T" MC_S6/SM/XTAL-7X5.08 2594.49,5702.17 r0 top locked
XP1 "Samtec_XP1" MC_S6/TH/SAMTEC_MOLC_40X4 675,4225 r270 bottom locked
XP2 "Samtec_XP2" MC_S6/TH/SAMTEC_MOLC_40X4 1075,4350 r0 bottom locked
XP3 "Samtec_XP3" MC_S6/TH/SAMTEC_MOLC_40X4 1075,1925 r0 bottom locked
XP4 "Samtec_XP4" MC_S6/TH/SAMTEC_MOLC_40X4 3275,4225 r270 bottom locked
ZI1 "Fiducial Dot" MC_S6/SM/FIDUCIAL_DOT 2509.84,5344.69 r0 bottom locked
ZI2 "Fiducial Dot" MC_S6/SM/FIDUCIAL_DOT 1564.96,5177.36 r0 top locked
ZI3 "Fiducial Dot" MC_S6/SM/FIDUCIAL_DOT 3661.42,5433.27 r180 bottom locked
ZI4 "Fiducial Dot" MC_S6/SM/FIDUCIAL_DOT 3110.24,200.2 r180 top locked
ZI5 "Fiducial Dot" MC_S6/SM/FIDUCIAL_DOT 3110.24,987.6 r180 top locked
ZI6 "Fiducial Dot" MC_S6/SM/FIDUCIAL_DOT 1380.71,3663.39 r0 bottom locked
ZI7 "Fiducial Dot" MC_S6/SM/FIDUCIAL_DOT 1439.76,3860.24 r0 top locked
ZI8 "Fiducial Dot" MC_S6/SM/FIDUCIAL_DOT 3897.64,987.6 r0 top locked
ZI9 "Fiducial Dot" MC_S6/SM/FIDUCIAL_DOT 3897.64,987.6 r180 bottom locked
ZI10 "Fiducial Dot" MC_S6/SM/FIDUCIAL_DOT 3350,5167.52 r90 top locked
ZI11 "Fiducial Dot" MC_S6/SM/FIDUCIAL_DOT 895.67,5728.54 r180 bottom locked
ZI12 "Fiducial Dot" MC_S6/SM/FIDUCIAL_DOT 2660.24,2639.76 r90 top locked
ZI13 "Fiducial Dot" MC_S6/SM/FIDUCIAL_DOT 1486.22,5738.39 r90 top locked
ZI14 "Fiducial Dot" MC_S6/SM/FIDUCIAL_DOT 2561.81,3250 r90 bottom locked
ZI15 "Fiducial Dot" MC_S6/SM/FIDUCIAL_DOT 1380.71,2816.93 r90 bottom locked
ZI16 "Fiducial Dot" MC_S6/SM/FIDUCIAL_DOT 4035.43,157.68 r90 bottom locked
ZI17 "Fiducial Dot" MC_S6/SM/FIDUCIAL_DOT 3110.24,987.6 r90 bottom locked

## Footprints (in the part's own frame and the unit in brackets; to place one, negate y for a bottom-side part, rotate by r counter-clockwise, add the part's x,y. Pads: shape width x height; smd on the part's side, far side on the other; paste and mask are expansions set on the pad)
AIAC-4125C-R538J [mm]
  rrect50% 2.1x4.7 smd: 1(-4,-1.2) 2(4,1.2)
  silkscreen extent -4.5,-2.4 4.5,2.4, body extent -4.5,-3.65 4.5,3.65, height 5